# Altium PCB main - Copy.PcbDoc (part 10 of 14)
Units mil, origin at the board's own origin, x right, y up, seen from the top; angles counter-clockwise.
Board outline 8394.55 x 5164.44 mil, 7 copper layers (Top Layer 1, Layer 2, Layer 3, Unused, Layer 4_pow, Layer 5_gnd, Bottom 6+gnd), stack 46.112 mil thick; 406 components, 463 nets, 1919 pads, 903 vias.
Unrouted connection lines stored in the file: 147.
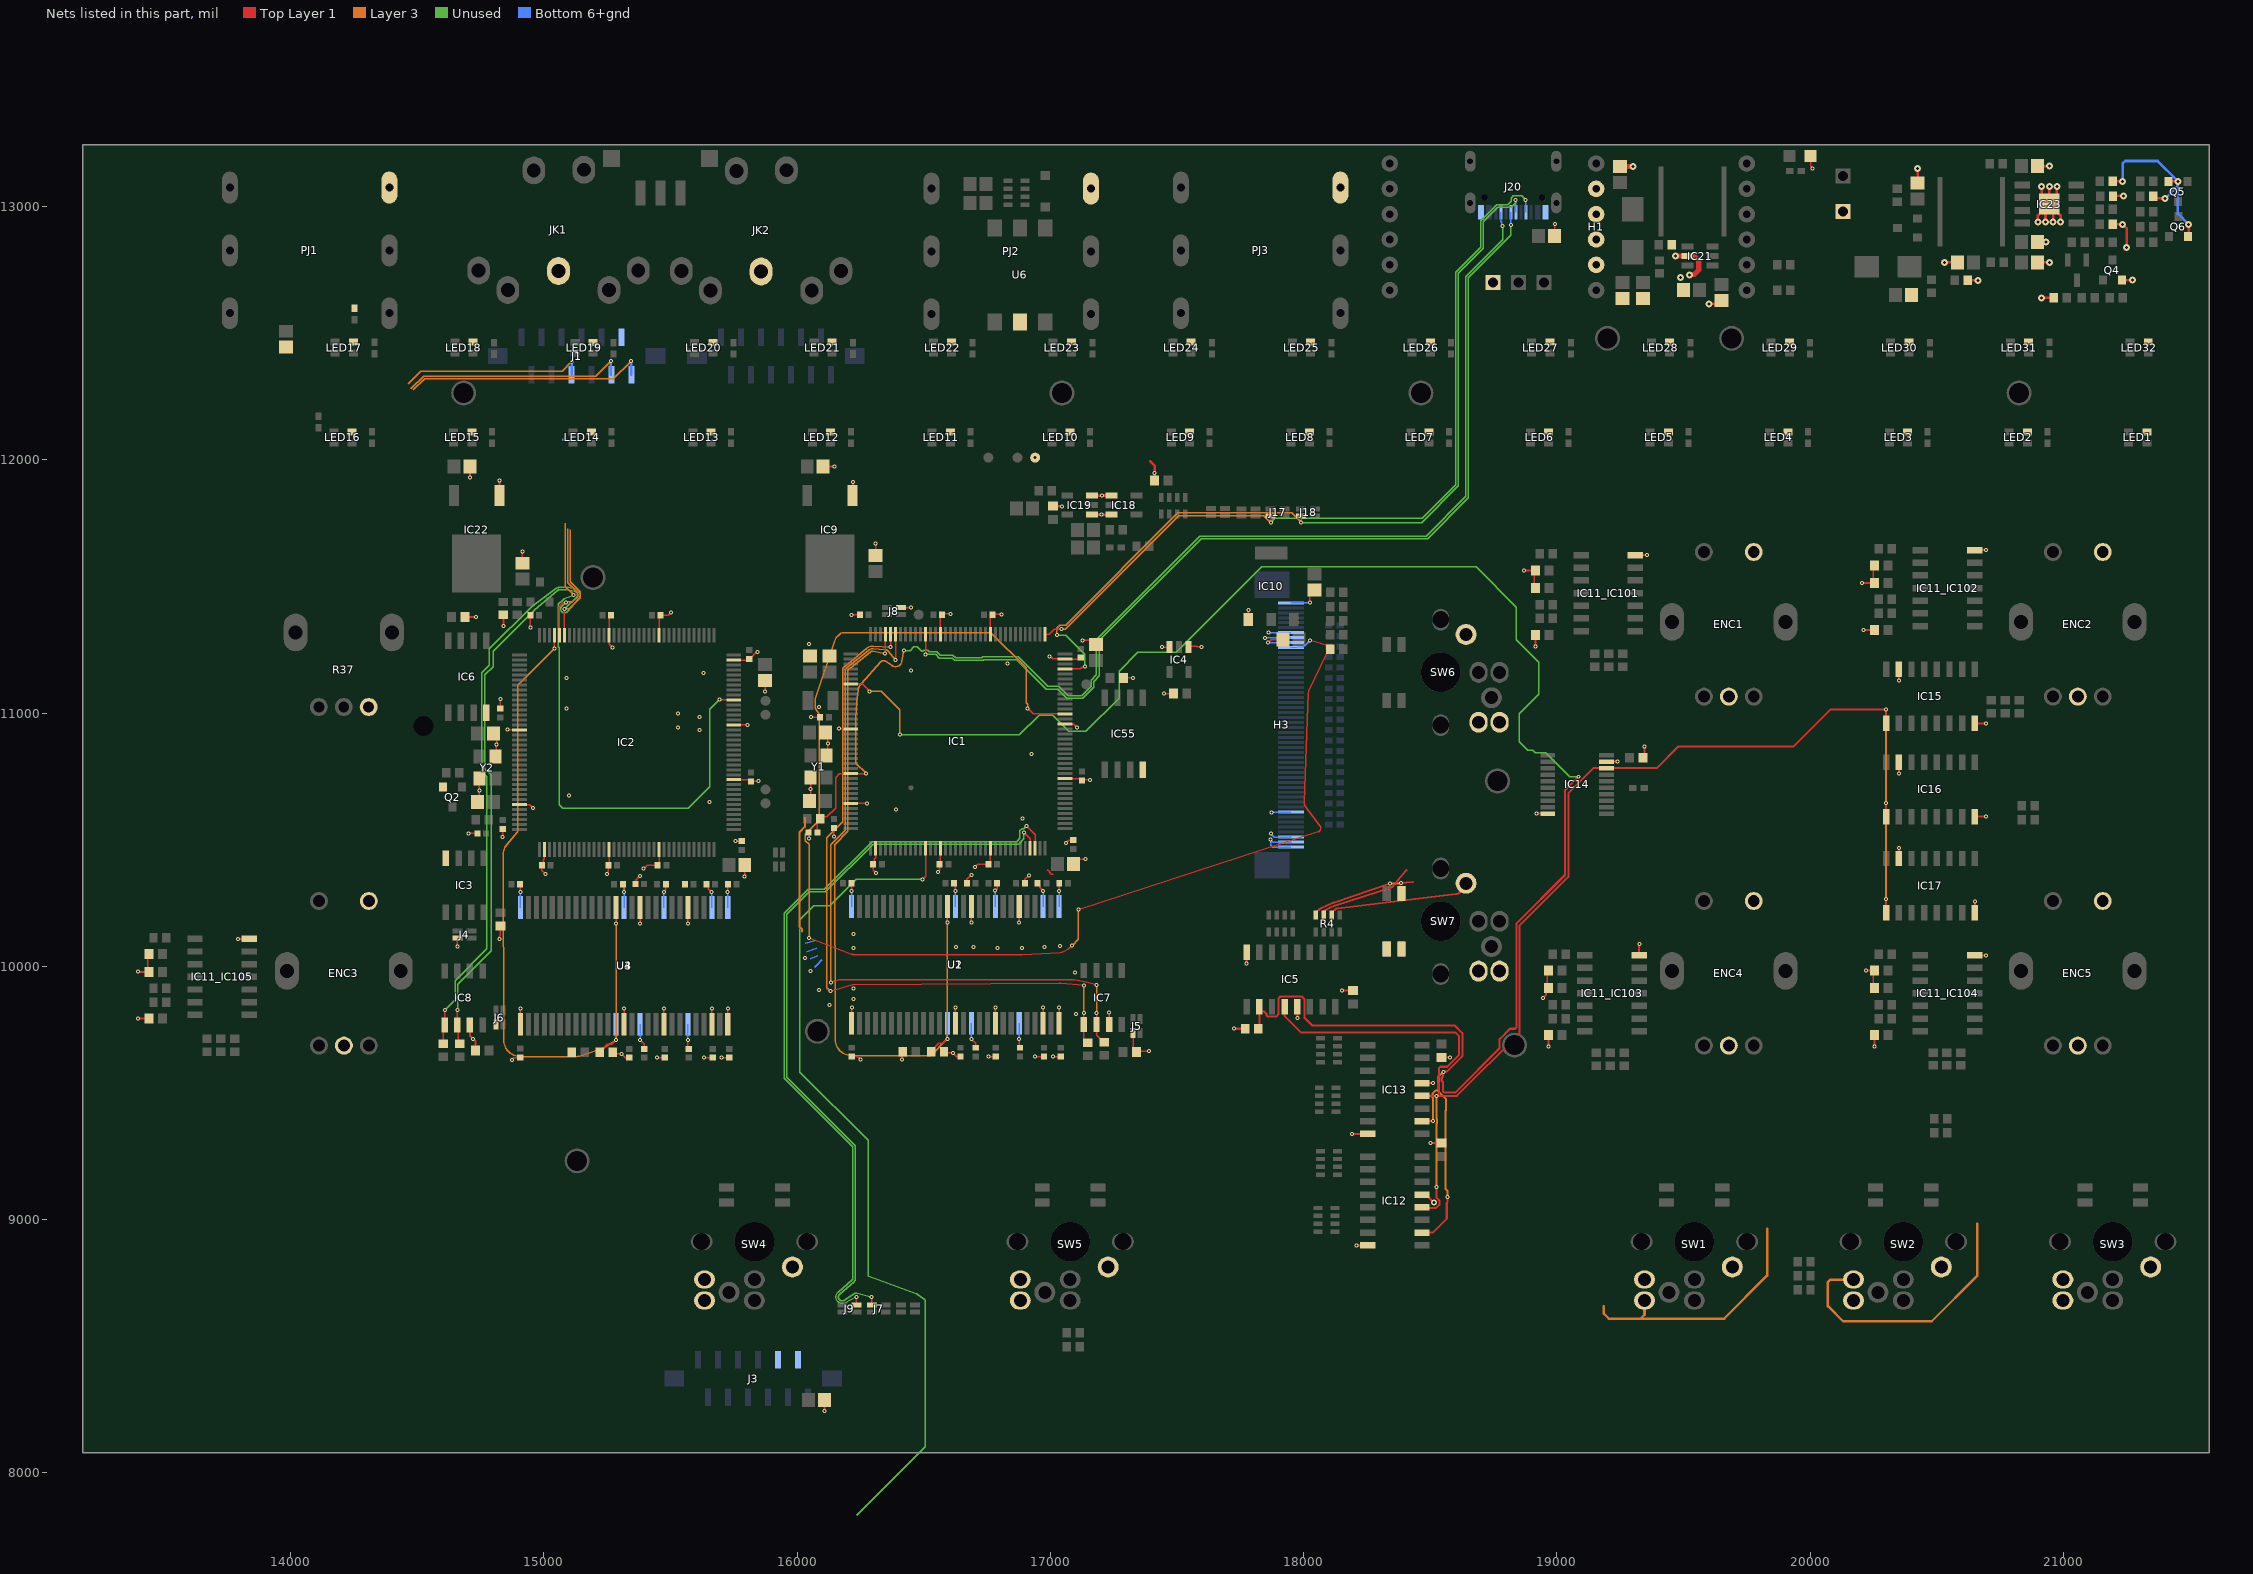
[diagram p14: the nets of this part, all layers, seen from the top]

## Via types
v1: diameter 15.75, hole 7.87, Top Layer 1 to Bottom 6+gnd, tented both sides, 830 vias
v2: diameter 27.56, hole 11.81, Top Layer 1 to Bottom 6+gnd, 45 vias
v3: diameter 23.62/23.62/23.62/23.62/23.62/23.62/23.62 (per signal layer), hole 12, Top Layer 1 to Bottom 6+gnd, tented top, 12 vias
v4: diameter 15.75, hole 7.87, Top Layer 1 to Bottom 6+gnd, 10 vias
v5: diameter 23.62/23.62/23.62/23.62/23.62/23.62/23.62 (per signal layer), hole 12, Top Layer 1 to Bottom 6+gnd, tented bottom, 6 vias

## Nets (pads, with @x,y where several pads share a name; then routed paths per layer and width w, separated by ;. In a path a pad name is that pad's centre, name@x,y a point inside that pad or via, vN(x,y) a via of type N, cw(c..) or ccw(c..) an arc to the next point about the centre after c; other vN are vias at no path point) (continued)
GND: C1.2 C2.2 C3.1 C4.1 C5.1 C6.1 C7.1 C8.1 C9.1 C10.1 C11.2 C12.2 C13.2 C14.2 C15.2 C16.2 C17.2 C18.2 C19.2 C20.2 C21.2 C22.2 C23.2 C24.2 C25.2 C26.2 C27.2 C28.2 C29.2 C30.2 C31.2 C32.2 C33.2 C34.2 C35.2 C36.2 C37.2 C38.2 C39.2 C40.2 C41.2 C42.2 C43.2 C44.2 C45.2 C46.2 C47.2 C48.2 C49.2 C50.2 C51.2 C52.2 C53.2 C54.2 C55.2 C56.2 C57.2 C58.2 C59.2 C60.2 C61.2 C62.1 C63.1 C64.1 C65.1 C66.1 C67.1 C68.1 C69.1 C70.1 C71.1 C72.1 C73.1 C74.1 C75.1 C76.1 C77_IC101.2 C77_IC102.2 C77_IC103.2 C77_IC104.2 C77_IC105.2 C78_IC101.2 C78_IC102.2 C78_IC103.2 C78_IC104.2 C78_IC105.2 C79_IC101.2 C79_IC102.2 C79_IC103.2 C79_IC104.2 C79_IC105.2 C80.2 C81.2 C82.1 C83.1 C84.1 C85.1 C86.1 C87.1 C88.1 C89.1 C90.1 C91.1 C92.1 C93.1 C94.1 C95.1 C96.1 C97.1 D4.2 ENC1.2 ENC1.C ENC2.2 ENC2.C ENC3.2 ENC3.C ENC4.2 ENC4.C ENC5.2 ENC5.C H1.2 H1.3 H1.4 H1.5 H3.1 H3.2 H3.3 H3.8 H3.42 H3.43 H3.44 H3.50 IC1.16 IC1.31 IC1.38 IC1.51 IC1.61 IC1.83 IC1.94 IC1.107 IC1.120 IC1.130 IC2.16 IC2.31 IC2.38 IC2.51 IC2.61 IC2.83 IC2.94 IC2.107 IC2.120 IC2.130 IC3.4 IC4.1 IC4.3 IC5.8 IC5.13 IC6.4 IC7.7 IC8.7 IC9.1 IC10.1 IC11_IC101.7 IC11_IC102.7 IC11_IC103.7 IC11_IC104.7 IC11_IC105.7 IC12.8 IC12.13 IC13.8 IC13.13 IC14.10 IC14.19 IC15.8 IC15.15 IC16.8 IC16.15 IC17.8 IC17.15 IC18.1 IC18.3 IC19.1 IC19.3 IC21.2 IC22.1 IC23.9 IC55.4 J1.11 J3.9 J3.11 J4.4 J5.3 J6.3 J8.2 J20.A1B12 J20.B1A12 JK1.2 JK2.2 LED1.2 LED2.2 LED3.2 LED4.2 LED5.2 LED6.2 LED7.2 LED8.2 LED9.2 LED10.2 LED11.2 LED12.2 LED13.2 LED14.2 LED15.2 LED16.2 LED17.2 LED18.2 LED19.2 LED20.2 LED21.2 LED22.2 LED23.2 LED24.2 LED25.2 LED26.2 LED27.2 LED28.2 LED29.2 LED30.2 LED31.2 LED32.2 PJ1.2 PJ2.2 PJ3.2 Q2.2 Q4.2 Q5.2 Q6.2 R7.1 R9.1 R10.1 R12.1 R19.1 R20.1 R37.3 R51.1 R72.2 R109.2 R126.2 R127.2 R128.1 R129.1 SW1.S1 SW2.S1 SW3.S1 SW4.S1 SW5.S1 SW6.S1 SW7.S1 TP8.1 TP14.1 TP16.1 U1.6 U1.12 U1.28 U1.41 U1.46 U1.52 U1.54 U2.6 U2.12 U2.28 U2.41 U2.46 U2.52 U2.54 U3.6 U3.12 U3.28 U3.41 U3.46 U3.52 U3.54 U4.6 U4.12 U4.28 U4.41 U4.46 U4.52 U4.54 U6.5 Y1.2 Y1.4 Y2.2 Y2.4 | length 15133.7
  Top Layer 1 w5: C77_IC105.2@13437.01,9978.82 C79_IC105.2@13437.01,10048.82 ; v1(14658.33,10078.26) J4.4@14658.33,10111.48 ; v1(14703.33,10525.26) 14736.48,10525.26 C8.1@14737.11,10524.63 ; C6.1@14745.26,10649.63 v1(14745.26,10695.47) Y2.2@14745.26,10741.32 ; Y2.4@14808.26,10827.94 14813.26,10832.94 14812.96,10833.23 v1(14812.96,10876.28) ; v1@14813.26,10876.28 C4.1@14813.26,10919.63 ; v1(14824.45,10108.14) 14824.87,10108.56 14824.87,10118.51 14828.33,10121.98 C62.1@14828.33,10153.76 ; C23.2@14828.33,11017.58 v1(14828.33,11055.26) ; v1(14836.76,10509.97) C22.2@14836.76,10542.14 ; v1(14856.85,10934.67) 14857.26,10934.26 14903.59,10934.26 IC2.16@14904,10933.84 ; v1(14873.33,9631.26) 14882.06,9639.98 C47.2@14906.7,9639.98 ; U3.28@14899.75,9789.27 U3.28@14907.25,9781.77 ; IC2.31@14904,10638.57 14904.16,10638.41 14945.27,10638.41 14956.95,10626.73 v1(14956.95,10624.81) ; C60.2@14906.7,10324.63 14907.01,10324.32 v1(14907.01,10294.12) ; v1@14907.25,9833.24 U3.28@14907.25,9781.77 ; C87.1@14915,11591.81 v1(14915,11638.82) ; C24.2@14946.6,11386.87 14947.01,11386.47 v1(14947.01,11338.03) ; IC2.38@15001.96,10461.87 15001.96,10424.83 14996.76,10419.63 14996.76,10404.27 C29.2@14992.11,10399.63 14992.11,10379.48 v1(15006.33,10365.26) ; R12.1@15108.19,9658.48 R12.1@15109.34,9659.63 ; v1@15248.85,10367.54 15254.44,10373.13 C30.2@15254.44,10396.24 ; C30.2@15254.44,10399.63 15257.86,10403.05 IC2.51@15257.86,10461.87 ; C25.2@15265.89,11386.87 15257.86,11378.84 IC2.130@15257.86,11307.38 15257.86,11271.73 v1(15271.33,11258.26) ; R9.1@15271.7,9659.63 15276.7,9654.63 v1(15306.7,9654.63) 15321.35,9639.98 C48.2@15336.7,9639.98 ; C59.2@15311.7,10324.63 15316.45,10319.87 v1(15316.45,10294.12) ; U3.41@15316.7,9771.4 v1@15316.7,9833.24 ; C58.2@15362.05,10324.63 15362.05,10339.73 15379.34,10357.01 v1(15380.43,10357.01) ; v1@15379.69,10170.19 U3.12@15379.69,10232.03 ; v1(15380.09,9708.66) 15396.7,9692.06 C49.2@15396.7,9674.63 ; v1(15393.33,10386.26) 15395.33,10386.26 15408.7,10399.63 C31.2@15449.44,10399.63 15454.71,10404.9 IC2.61@15454.71,10461.87 ; v1(15446.7,9639.63) 15476.35,9639.63 C50.2@15476.7,9639.98 ; IC2.120@15454.71,11307.38 15454.71,11380.69 C26.2@15460.89,11386.87 15491.95,11386.87 v1(15502.33,11397.26) ; v1(15473.52,10294.63) 15481.7,10302.81 C57.2@15481.7,10324.63 ; U3.46@15474.18,9771.4 v1@15474.18,9833.24 ; v1(15568.42,9709.31) 15568.42,9677.9 C51.2@15571.7,9674.63 ; v1@15568.67,10170.19 U3.6@15568.67,10232.03 ; v1(15631.7,9639.63) 15666.35,9639.63 C52.2@15666.7,9639.98 ; C55.2@15641.7,10324.63 15649.56,10316.77 15649.56,10307.47 v1(15662.91,10294.12) ; U3.52@15663.16,9771.4 v1@15663.16,9833.24 ; v1(15701.7,9639.63) 15731.74,9639.63 C53.2@15732.09,9639.98 ; v1(15725.9,10294.12) 15725.9,10323.83 C54.2@15726.7,10324.63 ; U3.54@15726.15,9771.4 U3.54@15726.15,9771.46 v1@15726.15,9833.24 ; IC2.83@15749.52,10736.99 C32.2@15809.75,10736.99 ; IC2.94@15749.52,10953.53 15749.65,10953.39 15804.2,10953.39 v1(15804.33,10953.26) ; IC2.107@15749.52,11209.43 15806.56,11209.43 C27.2@15811.76,11214.63 15812.55,11214.63 15839.18,11241.26 15842.33,11241.26 v1(15843.33,11242.26) ; v1(15757.13,10494.98) C28.2@15781.4,10494.98 ; v1(15792.51,10355.38) C10.1@15792.51,10398.88 ; C32.2@15817.74,10730.01 15819.1,10731.37 v1(15846.69,10731.37) ; v1(15873.33,11085.26) C2.2@15873.33,11128.76 ; C7.1@16045.35,10528.82 16047.68,10526.5 16047.05,10525.86 v1(16047.05,10504.19) ; C5.1@16053.5,10653.82 v1(16053.5,10699.66) Y1.2@16053.5,10745.51 ; v1(16055,10983.82) C12.2@16090.35,10983.82 ; Y1.4@16116.5,10832.13 16121.5,10837.13 v1(16121.5,10880.47) C3.1@16121.5,10923.82 ; v1@16122.09,9847.2 v1(16127.09,9847.2) ; v1(16145.22,10513.6) 16145.22,10546.55 C13.2@16145.45,10546.77 ; v1(16165,10938.82) 16165.79,10938.03 IC1.16@16212.24,10938.03 ; U1.28@16208.05,9793.46 U1.28@16215.55,9785.96 ; IC1.31@16212.24,10642.76 16212.78,10643.29 16275.11,10643.29 v1(16275.64,10643.82) ; v1(16213.87,11388.21) 16214.48,11388.82 C11.2@16247.68,11388.82 ; C33.2@16215,9644.17 16215.35,9643.82 16238.61,9643.82 v1(16249.87,9632.56) ; C40.2@16215,10328.82 16215.31,10328.51 v1(16215.31,10298.31) ; v1@16215.55,9837.43 U1.28@16215.55,9785.96 ; C71.1@16310,11621.81 v1(16310,11668.82) ; IC1.38@16310.2,10466.06 16310.2,10429.01 16305,10423.82 16305,10408.46 C21.2@16300.35,10403.82 16300.35,10378.94 v1(16311.22,10368.07) ; J8.2@16410,11416.38 16449.35,11416.38 v1(16449.58,11416.61) ; v1@16415,9628.82 v1(16415,9632.56) 16415,9661.18 R10.1@16417.64,9663.82 ; v1(16557.09,10372.2) 16557.09,10375.11 16562.68,10380.7 C20.2@16562.68,10403.82 16566.1,10407.24 IC1.51@16566.1,10466.06 ; IC1.130@16566.1,11311.57 16566.1,11395.27 C14.2@16569.65,11398.82 ; C14.2@16572.32,11388.82 16575.61,11392.1 16605.25,11392.1 v1(16606.12,11391.23) ; R7.1@16580,9663.82 16585,9658.82 v1(16615,9658.82) 16629.65,9644.17 C34.2@16645,9644.17 ; C41.2@16620,10328.82 16624.75,10324.06 v1(16624.75,10298.31) ; U1.41@16625,9775.59 v1@16625,9837.43 ; C46.2@16670.35,10328.82 16670.35,10343.92 16687.64,10361.2 v1(16688.73,10361.2) ; v1@16687.99,10174.38 U1.12@16687.99,10236.22 ; v1(16688.39,9712.85) 16705,9696.25 C35.2@16705,9678.82 ; v1@16692.09,10072.2 v1(16697.09,10077.2) ; v1(16702.09,10392.2) 16713.7,10403.82 C19.2@16755.25,10403.82 ; v1(16755,9643.82) 16784.65,9643.82 C36.2@16785,9644.17 ; C19.2@16757.68,10403.82 16762.95,10409.09 IC1.61@16762.95,10466.06 ; IC1.120@16762.95,11311.57 16762.95,11392.13 C15.2@16769.65,11398.82 ; C15.2@16772.32,11388.82 16773.42,11389.92 v1(16807.14,11389.92) ; v1(16781.82,10298.82) 16790,10307 C42.2@16790,10328.82 ; U1.46@16782.48,9775.59 v1@16782.48,9837.43 ; v1(16876.72,9713.5) 16876.72,9682.09 C37.2@16880,9678.82 ; v1(16876.72,10174.13) U1.6@16876.72,10235.97 ; v1@16876.97,10174.38 U1.6@16876.97,10236.22 ; v1@16877.21,10174.62 U1.6@16877.21,10236.46 ; v1@16877.46,10174.38 U1.6@16877.46,10271.22 ; C43.2@16899.65,10328.82 16899.65,10343.46 v1(16915,10358.82) ; v1(16940,9643.82) 16974.65,9643.82 C38.2@16975,9644.17 ; C44.2@16950,10328.82 16957.86,10320.96 16957.86,10311.66 v1(16971.21,10298.31) ; U1.52@16971.21,9775.4 v1@16971.21,9837.68 ; U1.52@16971.46,9775.59 v1@16971.46,9837.43 ; U1.52@16971.7,9775.83 v1(16971.7,9837.68) ; U1.52@16971.95,9740.59 v1@16971.95,9837.43 ; 16988.09,10382.2 16995.41,10374.88 16995.41,10373.15 17004.36,10364.2 17011.09,10364.2 ; v1(16997.38,11224.53) 16998.52,11224.53 17008.82,11214.22 17057.16,11214.22 IC1.107@17057.76,11213.62 17114.8,11213.62 C16.2@17120,11218.82 ; v1(17010,9643.82) 17040.04,9643.82 C39.2@17040.39,9644.17 ; v1(17034.2,10298.31) 17034.2,10328.02 C45.2@17035,10328.82 ; U1.54@17034.45,9775.59 v1@17034.45,9837.43 ; IC1.83@17057.76,10741.18 17117.99,10741.18 C17.2@17125,10734.17 17127.6,10736.78 v1(17156.4,10736.78) 17156.83,10737.2 v1@17157.09,10737.2 ; IC1.94@17057.76,10957.72 17059.09,10956.38 17091.36,10956.38 v1@17104.37,10943.37 ; v1(17061.71,10487.58) 17072.94,10498.82 17089.65,10498.82 C18.2@17090,10498.46 ; C9.1@17091.5,10403.82 17111.44,10423.76 v1(17138.52,10423.76) ; v1(17126.31,11287.1) 17163.21,11287.1 C1.2@17180,11270.31 C1.2@17188.15,11262.16 ; IC7.7@17232.09,9770.43 v1(17232.09,9817.2) ; C63.1@17279.95,11138.84 v1(17326.66,11138.84) ; J5.3@17327.09,9737.09 17327.09,9680.2 17345.08,9662.2 17348.08,9665.2 v1(17389.09,9665.2) ; v1(17441.21,11260.34) 17441.81,11260.94 IC4.3@17470.98,11260.94 ; v1(17448.16,11076.73) C61.2@17480.39,11076.73 ; IC4.1@17545.79,11260.94 17549.23,11264.39 17578.14,11264.39 17580.64,11261.89 17595.64,11261.89 v1(17596.01,11261.52) ; IC10.1@17782.11,11360.08 v1(17782.11,11407.09) ; v1(17859.5,11277.91) 17871.16,11289.57 17900.31,11289.57 C76.1@17913.35,11302.6 ; v1(18024.8,11436.25) 18024.8,11469.09 C74.1@18041.42,11485.71 ; C82.1@18545,9640.67 18571.85,9640.67 18573.3,9642.12 18577.45,9642.12 v1(18578.69,9640.88) ; C77_IC101.2@18909.72,11493.82 C79_IC101.2@18909.72,11563.82 ; C77_IC103.2@18962.01,9913.82 C79_IC103.2@18962.01,9983.82 ; C88.1@18991.1,12883.31 18990.73,12883.68 18990.73,12928.69 v1(18992.61,12930.57) ; D4.2@20001.34,13200 20001.34,13158.66 v1(20010,13150) ; C77_IC104.2@20249.29,9913.82 C79_IC104.2@20249.29,9983.82 ; C77_IC102.2@20249.29,11513.82 C79_IC102.2@20249.29,11583.82 ; U3.28@14907.25,9781.77 14907.25,9771.4 U3.28@14907.25,9771.46 U3.28@14907.25,9781.77 ; U1.28@16215.55,9785.96 U1.28@16215.55,9775.59 U1.28@16215.55,9785.96
  Top Layer 1 w8: v1@13397.76,9793.82 C78_IC105.2@13441.93,9793.82 ; v1@13397.76,9978.82 C77_IC105.2@13441.93,9978.82 ; v1@13793.11,10108.82 IC11_IC105.7@13837.28,10108.82 ; C86.1@14688.07,11378.82 v1@14732.24,11378.82 ; v1@14707.99,11929.65 C75.1@14707.99,11973.82 ; IC8.7@14708.33,9768.49 14708.33,9725.48 v1(14720,9713.82) 14730,9703.82 C64.1@14730,9668.82 ; IC22.1@14825,11873.82 v1@14825,11917.99 ; v1@14840,11343.47 R109.2@14840,11387.64 ; C72.1@16102.99,11973.82 v1@16147.16,11973.82 ; v1@16107.99,8244.65 C85.1@16107.99,8288.82 ; IC9.1@16220,11868.82 v1@16220,11912.99 ; v1@17724.65,9753.82 R72.2@17768.82,9753.82 ; v1@17775,10011.93 IC5.8@17775,10056.1 ; v1@17975,9797.36 IC5.13@17975,9841.54 ; v1@18150.83,9905.39 C66.1@18195,9905.39 ; v1@18190.83,9338.82 IC13.8@18235,9338.82 ; v1@18208.54,8898.82 IC12.8@18252.72,8898.82 ; IC12.13@18467.28,9098.82 18485,9098.82 18493.8,9090.02 18493.8,9087.66 18514.33,9067.13 v3(18514.65,9067.13) ; IC13.13@18467.28,9538.82 v1@18511.46,9538.82 ; v1@18500.83,9302.89 C83.1@18545,9302.89 ; v1(18869.65,11563.82) C79_IC101.2@18914.65,11563.82 ; v1(18914.65,11263.82) C78_IC101.2@18914.65,11308.82 ; v1(18920,10603.82) 18920.16,10603.66 IC14.10@18964.33,10603.66 ; v1(18945.5,9875.67) 18956.65,9886.82 18956.65,9903.54 C77_IC103.2@18966.93,9913.82 ; v1@18966.93,9684.65 C78_IC103.2@18966.93,9728.82 ; IC14.19@19195.67,10808.38 19195.89,10808.6 19239.78,10808.6 v1(19240,10808.82) ; IC11_IC101.7@19310,11623.82 v1(19355,11623.82) ; IC11_IC103.7@19325,10043.82 v1@19325,10087.99 ; C73.1@19345,10823.82 v1(19345,10868.82) ; v1@20205.12,11513.82 C77_IC102.2@20249.29,11513.82 ; v1@20210.04,11328.82 C78_IC102.2@20254.21,11328.82 ; v1@20220.83,9983.82 C79_IC104.2@20265,9983.82 ; v1@20254.21,9684.65 C78_IC104.2@20254.21,9728.82 ; IC17.15@20350,10423.82 v1@20350,10467.99 ; v1@20350,10761.93 IC16.15@20350,10806.1 ; v1@20350,11129.65 IC15.15@20350,11173.82 ; IC11_IC104.7@20649.57,10043.82 v1@20693.74,10043.82 ; IC11_IC102.7@20649.57,11643.82 v1@20693.74,11643.82 ; IC17.8@20650,10211.53 v1@20650,10255.71 ; IC16.8@20650,10591.53 v1@20694.17,10591.53 ; IC15.8@20650,10959.25 v1@20694.17,10959.25
  Top Layer 1 w10: C81.2@17000,11816.77 17046.04,11816.77 v1(17046.16,11816.64) ; IC19.1@17165,11783.82 17202.27,11783.82 v1(17202.48,11783.61) 17241.37,11783.61 IC18.3@17241.57,11783.82 ; IC19.3@17165,11858.62 17203.28,11858.62 v1(17203.91,11859.26) 17240.94,11859.26 IC18.1@17241.57,11858.62 ; 17395,11993.78 17411.85,11976.93 v1(17411.85,11948.35) C80.2@17411.85,11918.82 ; v2(19600.08,12616.31) 19600.88,12617.12 19637.12,12617.12 C69.1@19650,12630 ; C92.1@20400.51,12650 C92.1@20400.86,12649.65 ; C97.1@20424.02,13092.99 v2(20424.02,13150) ; v2(20530.91,12780) C95.1@20581.02,12780 ; R19.1@20620.2,12710 R19.1@20621.47,12708.73 v2(20661.71,12708.73) ; C94.1@20897.01,12780 v2(20944.02,12780) ; C93.1@20897.01,12860 v2(20931.46,12860) ; C96.1@20897.01,13160 v2(20944.02,13160) ; v2(20899.02,12940) 20899.02,12965 IC23.9@20929.02,12995 ; v2(20913.39,12639.37) R51.1@20962.2,12639.37 ; v2(20914.02,13080) 20914.02,13040 IC23.9@20944.02,13010 ; v2(20929.02,12940) IC23.9@20929.02,12995 ; v2(20944.02,13080) IC23.9@20944.02,13010 ; v2(20959.02,12940) 20959.02,12980 20966.52,12987.5 20989.02,12965 v2(20989.02,12940) ; v2(20974.02,13080) 20974.02,13040 IC23.9@20944.02,13010 ; R126.2@21195.2,12930 v2(21234.02,12930) 21249.58,12914.44 v2(21249.58,12837.57) ; R128.1@21195.2,13100 21195.88,13099.31 v2(21233.43,13099.31) ; R127.2@21198.09,13042.5 v2(21236.91,13042.5) ; Q4.2@21230.79,12710 21231.42,12709.37 v2(21273.39,12709.37) ; R129.1@21355.2,13040 21363.01,13032.19 v2(21401.83,13032.19) ; Q5.2@21416.61,13098.74 21417.87,13100 v2(21451.89,13100) ; Q6.2@21491.42,12881.26 21494.02,12883.86 v2(21494.02,12930) ; IC23.9@20929.02,12995 IC23.9@20944.02,13010
  Top Layer 1 w20: C70.1@19249.81,13157.99 v2(19299.81,13157.99) ; v2(19467.8,12804.4) 19543.5,12804.4 19560.01,12787.89 19560.01,12749.74 19542.4,12732.13 19524.79,12732.13 v2(19523.34,12730.68)
  Layer 3 w8: 16020,10138.82 16020,10145.75 16010.17,10155.58 16010.17,10530.7 16030.55,10551.08 16030.55,10588.82
  Layer 3 w10: 19185,8658.82 19185,8628.82 19205,8608.82 19330,8608.82 ; SW1.S1@19345.76,8680.84 19345.76,8624.58 19330,8608.82 ; 19830,8963.82 19830,8778.82 19660,8608.82 19330,8608.82 ; SW2.S1@20170.87,8763.52 20079.7,8763.52 20070,8753.82 20070,8658.82 20130,8598.82 20480,8598.82 20660,8778.82 20660,8983.82
  Bottom 6+gnd w5: U4.28@14907.25,10232.03 v1@14907.25,10293.87 ; v1(15316.45,10294.12) 15316.45,10308.38 15318.33,10310.26 ; U4.41@15316.7,10232.03 v1@15316.7,10293.87 ; U4.12@15379.69,9771.4 15380.09,9771 v1(15380.09,9708.66) ; v1(15473.52,10294.63) 15473.52,10232.69 U4.46@15474.18,10232.03 ; v1@15568.67,9709.56 U4.6@15568.67,9771.4 ; U4.52@15663.16,10232.03 U4.52@15663.16,10232.09 v1@15663.16,10293.87 ; U4.54@15726.15,10232.03 U4.54@15726.15,10232.09 v1@15726.15,10293.87 ; 16031.42,10091.84 16069.12,10101.06 ; 16037.09,10057.2 16077.09,10072.2 ; 16052.48,10029.28 16067.54,10035.41 ccw(c16061.74,10049.65) 16068.27,10035.73 16082.09,10042.2 ; 16069.72,9996.4 16080.34,10007.41 cw(c16091.41,9996.73) 16080.53,10007.61 16081.11,10008.18 ; 16097.09,10027.2 16082.04,10009.19 ; U2.28@16215.55,10236.22 v1@16215.55,10298.06 ; U2.41@16625,10236.22 v1@16625,10298.06 ; U2.12@16687.99,9775.59 16688.39,9775.19 v1(16688.39,9712.85) ; v1(16781.82,10298.82) 16781.82,10236.88 U2.46@16782.48,10236.22 ; v1@16876.97,9713.75 U2.6@16876.97,9775.59 ; U2.52@16971.46,10236.22 v1@16971.46,10298.06 ; U2.54@17034.45,10236.22 v1@17034.45,10298.06 ; v1(17846.42,11295.71) 17847.48,11296.77 17948.94,11296.77 H3.43@17950,11297.83 ; v1@17859.27,11277.67 17859.74,11278.15 H3.42@17950,11278.15 ; v1(17861.12,11318.02) 17861.37,11317.77 17949.75,11317.77 H3.44@17950,11317.52 ; v1(17868.92,10501.81) 17868.92,10499.9 v1@17870,10498.82 ; v1(17870.37,10523.98) 17883.91,10510.43 H3.3@17950,10510.43 H3.3@17950.78,10511.21 ; v1(17872.11,10608.09) 17872.5,10608.47 17949.62,10608.47 H3.8@17950,10608.86 ; H3.1@17950,10471.06 17877.75,10471.06 17870,10478.82 v1@17870,10498.82 ; H3.50@17950,11435.63 v1@18024.18,11435.63 ; H3.2@17950.62,10491.37 H3.2@17950,10490.75 17878.07,10490.75 v1@17870,10498.82 ; 16081.11,10008.18 ccw(c16070.24,10019.05) 16082.04,10009.19 ; 16081.11,10008.18 ccw(c16070.24,10019.05) 16082.04,10009.19 ; 16081.11,10008.18 ccw(c16070.24,10019.05) 16082.04,10009.19 ; 16081.11,10008.18 ccw(c16070.24,10019.05) 16082.04,10009.19 ; 16081.11,10008.18 ccw(c16070.24,10019.05) 16082.04,10009.19 ; 16081.11,10008.18 ccw(c16070.24,10019.05) 16082.04,10009.19 ; 16081.11,10008.18 ccw(c16070.24,10019.05) 16082.04,10009.19 ; 16081.11,10008.18 ccw(c16070.24,10019.05) 16082.04,10009.19 ; 16081.11,10008.18 ccw(c16070.24,10019.05) 16082.04,10009.19 ; 16081.11,10008.18 ccw(c16070.24,10019.05) 16082.04,10009.19 ; 16081.11,10008.18 ccw(c16070.24,10019.05) 16082.04,10009.19 ; 16081.11,10008.18 ccw(c16070.24,10019.05) 16082.04,10009.19 ; 16081.11,10008.18 ccw(c16070.24,10019.05) 16082.04,10009.19 ; 16081.11,10008.18 ccw(c16070.24,10019.05) 16082.04,10009.19 ; 16081.11,10008.18 ccw(c16070.24,10019.05) 16082.04,10009.19 ; 16081.11,10008.18 ccw(c16070.24,10019.05) 16082.04,10009.19
  Bottom 6+gnd w8: 15074.96,12078.35 15074.96,12080.32
  Bottom 6+gnd w10: v2(21233.43,13099.31) 21233.43,13169.42 21244.02,13180 21371.89,13180 v2(21451.89,13100) ; v2(21401.83,13032.19) 21450.86,13081.22 21450.86,13098.97 v2(21451.89,13100) ; v2(21494.02,12930) 21451.89,12972.13 v2(21451.89,13100)
  other v1: 16107.83,8244.49 18208.39,8898.98 18500.67,9303.05 18190.67,9338.98 18511.61,9538.66 18966.77,9684.49 20254.06,9684.49 17724.49,9753.98 13397.6,9793.98 17974.84,9797.21 17100.37,9812.2 14907.5,9833.49 15316.94,9833.49 15474.42,9833.49 15663.4,9833.49 15726.39,9833.49 16215.8,9837.68 16625.24,9837.68 16782.72,9837.68 17034.69,9837.68 16222.09,9872.2 18150.67,9905.55 16087.09,9907.2 16222.09,9912.2 17096.67,9976.53 13397.6,9978.98 16052.09,9982.2 20220.67,9983.98 17774.84,10011.77 16032.09,10032.2 20693.9,10043.66 16222.09,10072.2 16792.09,10072.2 16887.09,10072.2 16627.09,10077.2 16977.09,10077.2 17038.01,10080.26 19325.16,10088.15 13792.95,10108.98 16222.09,10127.2 15379.45,10169.94 15568.42,10169.94 16687.75,10174.13 20650.16,10255.86 15248.85,10364.63 20350.16,10468.15 16890,10583.82 20694.33,10591.38 16391.31,10620.38 15655,10648.82 15100,10673.82 20349.84,10761.77 16925,10838.82 15615,10933.82 17104.37,10943.24 15530,10943.82 20694.33,10959.09 15615,10983.82 15530,10998.82 15090,11018.82 16086.71,11023.77 20349.84,11129.49 15090,11138.82 15630,11158.82 16449.56,11169.26 16830,11195.74 16047.09,11272.2 20209.88,11328.98 14839.84,11343.31 14732.4,11378.66 20204.96,11513.98 20693.9,11643.66 16220.16,11913.15 14825.16,11918.15 14707.83,11929.49 16147.32,11973.66
  other v2: 19488.62,12720.72
  other v5: 16940,12008.82
GPIO_GUI.LED_1: IC1.48 R8.2 | length 3402.4
  Top Layer 1 w5: v1(16495,10343.82) 16507.05,10355.87 IC1.48@16507.05,10466.06
  Unused w5: 16235,7833.82 16505,8103.82 16505,8681.75 ccw(c16500,8681.75) 16502.84,8685.86 16473.61,8706.01 ccw(c16464.89,8693.35) 16470.17,8707.79 16283.28,8776.19 cw(c16285,8780.89) 16280,8780.89 16280,9312.96 16010,9582.96 16010,10183.82 16065,10238.82 16128.54,10238.82 16233.54,10343.82 v1(16495,10343.82)
GPIO_GUI.NRST_1: IC1.7 IC5.10 IC12.10 IC13.10 R72.1 | length 7888.3
  Top Layer 1 w5: IC1.7@16212.24,11115.2 16256.55,11115.2 v1(16286.01,11085.73)